# KiCad board Rogelio Pineda part 5.x3-AMLDC-2044B.kicad_pcb (continued)
## Routing (per net, layer and track width the routed paths; a pad name or vN(x,y) marks a point on that pad's centre or on a via; arc(x,y) is an arc through that point) (continued)
B1p12: length 312.2
  Top w0.15: v1(169.51,369.89) 168.78,369.02 168.24,367.16 168.04,365.77 168.04,364.58 167.89,355.91 167.92,353.5 167.75,342.28 167.81,341.37 167.7,339.33 167.72,337.92 167.73,332.17 167.62,327.78 167.72,309.89 167.75,308.88 167.8,305.73 167.7,301.39 167.81,277.23 167.72,273.44 167.87,267.74 167.89,264.65 167.84,256.15 167.89,249.7 167.89,243.86 167.92,241.96 168.06,212.67 167.93,207.79 168.29,205.22 168.63,203.52 169.74,200.94 170.47,199.5 170.64,192.9 170.31,190.91 169.83,188.9 169.2,186.31 168.9,184.97 168.32,182.25 168.18,180.49 168.01,165.47 168.07,162.65 168.26,160.87 168.88,158.23 169.43,156.75 170.1,155.24 170.45,154.02 170.6,150.41 170.63,149.66 170.74,127.2 170.25,125.7 169.16,123.34 168.5,121.42 168.34,116.76 v1(168.6,115.15)
  Top w0.25: UD1.8 163.11,371.04 161.1,372.35 159.71,373.7 159.37,374.99 159.23,378.51 159.32,383.67 159.37,392.6 159.16,397.81 158.53,399.05 157.31,399.75 154.79,400.67 153.41,401.67 UB1.12
  Bottom w0.2: UD1.8 164.67,369.87 165.47,369.9 169.45,369.95 v1(169.51,369.89) ; UT1.10 UT1.9 162.09,115.3 163.41,114.74 164.5,114.78 165.81,114.84 167.78,115.33 v1(168.6,115.15)
B1p13: length 270.8
  Top w0.15: 173.71,333.63 173.75,330.55 173.24,326.17 173.25,324.01 173.33,323.23 173.65,321.35 173.85,319.7 173.63,317.05 173.4,315.17 172.73,312.01 173.31,308.87 173.55,308.09 173.81,306.05 174.03,304.8 174.07,303.63 174.02,300.83 174.03,300.27 173.8,295.73 173.88,289.67 173.98,281.2 173.98,280.47 174.02,274.31 174.06,273.47 173.94,267.64 173.95,265.53 173.92,262.74 173.97,258.81 173.94,254.61 174.07,251.36 174.07,247.89 174.09,247.55 174.09,242.96 174.07,242.48 174.17,239.23 174.17,225.34 174.15,224.63 174.08,221.42 174.08,210.05 173.88,195.11 173.93,192.19 173.32,184.88 172.97,183.62 172.76,182.45 172.22,180.54 171.9,178.44 171.86,176.86 171.96,171.86 v1(172.26,170.34) ; v1(175.45,367.66) 174.88,367.09 174.7,357.85 173.89,356.06 173.13,354.05 172.87,352.51 172.72,351.34 172.72,349.6 172.58,348.11 172.77,343.37 173.22,340.3 173.71,333.5
  Top w0.25: UB1.13 151.62,399.25 151.53,393.4 151.48,392.27 151.16,390.31 151.74,387 151.97,385.21 151.85,385.09 151.85,373.45 151.76,373.37 152,371.86 152.92,370.8 UD1.12
  Bottom w0.2: v1(172.26,170.34) 171.47,169.78 169.34,168.82 166.77,168.21 165.48,167.92 163.91,167.9 162.87,168.07 162.05,168.69 161.98,168.89 UP1.9 UP1.10 ; v1(175.45,367.66) 175.04,367.66 171.81,367.74 156.61,367.88 155.17,368.03 154.37,368.6 UD1.12
B2p2: length 11.6
  Bottom w0.2: v1(183.32,395.82) 183.38,395.76 R58.2 185.92,393.17 186.62,392.87 188.31,392.65 189.16,392.77 190.9,393.92 UB2.2
B2p5: length 11.3
  Top w0.15: UB2.5 198.78,394.15 199.1,393.72 199.64,392.95 200.69,391.55 201.2,391.18 202.18,390.35 202.24,390.35 202.24,390.14 C13.1 R70.2
B2p6: length 365.1
  Top w0.15: 138.84,375.84 138.63,374.23 138.35,372.13 137.82,370.33 137.56,365.44 137.64,363.26 137.51,361.62 137.4,341.98 137.29,340.75 137.2,334.38 137.2,333.49 137.12,330.59 136.9,328.01 136.82,326.47 136.63,322.3 136.59,320.39 136.41,318.55 136.39,317.12 135.97,309.14 135.87,307.75 135.93,305.95 136.31,303.62 136.21,300.75 135.96,299.38 135.75,297.71 135.81,296.42 135.97,289.44 135.97,288.27 135.93,285.53 135.92,284.67 135.97,282.25 136.39,280.11 136.92,276.54 136.91,275.75 137.12,268.84 137.26,267.11 137.52,264.25 137.86,261.99 138.55,255.8 138.63,255.33 139.02,252.44 138.91,250.58 138.25,248.34 137.65,246.73 136.96,244.79 136.45,243.62 136.25,242.61 135.87,241.51 135.49,240.16 135.28,238.56 ; 138.87,375.52 138.47,378.67 137.8,380.5 136.98,383.06 135.81,386.29 134.8,389.95 133.77,392.27 133.33,394.03 132.62,395.84 131.88,397.86 v1(131.51,399.04) ; 130.97,190.2 130.99,187.42 130.95,183.47 130.95,179.1 130.91,179.06 130.73,172.4 130.63,167.58 130.59,156.19 130.77,149.72 131.03,147.14 131.07,145.37 131.41,140.33 131.84,137.81 131.9,136.12 132.75,130.97 132.96,129.49 133.21,128.29 132.87,115.79 v1(132.85,110.88) ; 135.3,238.78 135.18,237.55 135.14,235.64 ; 130.98,189.44 130.99,191.25 131.45,194.36 132.06,196.43 133.51,199.11 134.07,200.32 134.82,202.54 135.1,204.13 135.18,233.68 135.1,234.67 135.14,234.64 135.18,235.8
  Bottom w0.2: UB2.6 201.23,396.28 199.87,397.25 198.73,397.91 192.09,397.68 190.06,397.67 188.64,397.97 187.23,398.27 185.54,398.64 183.49,398.57 181.34,398.33 180.31,397.77 179.04,396.9 176.89,396.21 174.56,395.94 172.65,396.02 171.38,396.48 167.41,397.95 165.33,398.34 162.63,398.49 160.38,398.59 154.37,399.13 150.93,399.7 144.78,400.05 140.66,400.09 139.39,399.9 136.15,399.58 134.47,399.54 132.79,399.28 v1(131.51,399.04)
B2p8: length 203.4
  Top w0.15: v1(208.73,222.47) 208.54,222.67 208.9,223.36 208.43,297.11 208.42,344.12 208.51,346.95 208.57,348.43 208.63,349.25 209.35,351.02 210.07,352.75 210.54,354.68 210.67,356.28 211.2,360.35 211.26,362.72 211.43,365.47 211.45,367.22 211.82,373.96 211.86,374.77 211.93,374.87 211.93,381 211.8,381.84 211.62,389.98 211.68,393.13 211.54,402.65 v1(211.89,402.99)
  Bottom w0.2: 207.64,222.9 207.48,222.92 ; 207.48,222.92 207.93,222.78 v1(208.73,222.47) ; 207.48,222.92 206.57,223.03 204.83,223.15 201.73,223.16 201.08,222.96 199.74,222.36 199.66,222.17 199.43,221.95 199.33,221.81 UL2.5 UL2.4 ; v1(211.89,402.99) 211.89,403.22 210.62,403.37 209.1,403.35 207.48,403.28 206.72,403.24 205.14,403.19 UB2.8
B2p10: length 8.7
  Top w0.15: UB2.10 198.69,404.4 199.28,404.97 200.09,405.63 200.7,405.9 201.5,406.15 201.5,406.15 R91.2 204.15,405.95 C30.1
B2p12: length 684.1
  Top w0.15: 139.92,201.74 140.29,203.56 v1(140.67,204.62) ; 251.47,65.62 v1(251.35,65.68) 251.98,66.96 252.3,69.03 252.3,71.27 252.4,74.05 ; v1(139.23,65.64) 138.68,67.12 138.62,68.56 138.52,69.19 138.54,69.57 138.49,70.38 138.65,106.14 138.53,110.47 138.03,114.29 138.42,120.19 138.42,122.94 138.47,124.44 138.57,126.53 138.53,126.57 138.55,127.5 138.61,128.16 138.61,129.28 138.49,131.74 138.33,135.55 138.37,135.59 138.2,137.24 138.03,140.85 138.12,144.15 138.2,148.82 138.27,148.89 138.25,148.91 138.25,155 v1(138.33,155.07) 138.22,156.95 138.08,158.28 137.87,160.41 137.72,161.44 137.68,163.19 137.66,163.21 137.66,169.99 137.8,172.1 137.94,174.16 138.49,179.72 138.49,179.52 ; 252.32,72.65 252.28,77.34 252.16,80.2 252.03,119.94 252.07,119.98 252.13,124.63 251.23,156.25 251.27,158.42 v1(251.67,159.57) 253.29,166.55 253.09,170.73 253.22,173.98 253.53,175.71 253.69,183.96 253,187.39 252.82,189.59 252.98,192.79 252.87,201.73 v1(252.74,203.34) ; 139.95,202.03 139.66,199.67 139.33,197.35 139.37,197.31 139.26,192.98 139.17,189.6 138.85,183.43 138.72,182.55 138.49,179.12
  Top w0.25: v2(137.78,403) 137.93,402.1 138.18,400.5 ; v2(134.98,198.35) 135.63,200.25 135.93,201.4 136.43,207.6 136.43,210.3 136.33,221.45 138.63,233.7 138.48,243.45 138.68,246.6 139.28,248.3 139.93,249.75 140.18,251.55 139.83,254.85 139.53,258.1 139.28,258.95 138.53,265.3 138.18,267.15 138.03,275.55 137.98,276.85 137.63,279.5 136.83,283.05 136.98,289.6 136.93,292 136.78,294.6 136.83,298.5 137.33,302 137.28,303.5 136.93,306.2 136.93,309.75 137.23,313.75 137.58,316.75 138.33,330.45 138.43,332.9 138.83,353.8 138.93,362.9 139.03,368.85 139.78,374.85 139.63,379.4 138.73,384.9 138.53,396.75 138.18,400.5 ; 138.18,400.5 138.18,400.35
  Bottom w0.2: 137.07,200.25 139.4,202.69 139.93,203.31 140.67,204.46 v1(140.67,204.62) 140.88,204.41 146.81,204.41 UM1.1 ; 137.07,200.25 135.17,198.35 v2(134.98,198.35) ; 137.07,200.25 137.07,200.29 ; UM4.1 260.01,203.83 256.14,203.74 253.71,203.45 v1(252.74,203.34) ; 179.38,158.41 206.44,158.41 206.48,158.45 206.69,158.37 209.89,158.2 214.91,157.42 220.08,157.29 221.59,158.26 222.47,158.88 224.07,160.16 226.08,160.41 229.54,159.23 230.97,158.77 247.1,158.81 248.52,159.15 250.39,159.72 251.67,159.9 v1(251.67,159.57) ; 179.38,158.41 179.42,158.45 ; 179.38,158.41 172.97,158.11 171.2,158.06 162.46,157.03 159.57,156.93 149.06,156.6 146.74,156.52 141.42,155.87 139.98,155.28 v1(138.33,155.07) ; v2(137.78,403) 138.45,402.83 139.01,402.7 140.38,402.38 141.5,402.01 144.13,401.33 145.99,401.05 147.23,400.99 149.5,400.86 150.16,400.87 153.4,400.67 157.36,399.77 165.99,399.81 167.7,399.86 168.76,399.9 172.59,400.02 174.56,400.38 177.38,401.18 180.52,401.73 185.6,401.6 187.62,401.11 189.93,401.05 192.88,401.37 UB2.12
B2p13: length 50.7
  Top w0.15: 191.07,368.65 191.07,370.05 190.95,370.4 190.97,370.81 190.72,371.53 190.31,372.71 190.24,373.3 189.88,376.29 189.79,376.38 189.79,379.84 189.81,379.86 189.88,386.18 189.36,389.26 189.25,390.75 189.38,391.93 189.5,393.18 189.84,394.6 189.88,397.32 190.81,398.52 192.3,399.46 ; 192.78,398.32 193.44,398.52 193.93,398.68 196.36,399.49 198.92,400.1 200.59,401.33 201.04,402.91 UB2.9 ; 192.78,398.32 192.89,397.91 193.23,396.98 UB2.3 ; 192.78,398.32 192.39,399.31 192.3,399.46 ; 192.3,399.46 192.12,399.74 191.81,400.87 191.53,401.73 UB2.13
B3p4: length 80.3
  Top w0.15: v1(253.86,371.89) 253.09,372.53 252.69,373.77 252.55,375.89 252.52,376.59 252.78,379.95 252.75,381.54 252.85,382.56 252.98,384.78 253.04,386.08 253.23,386.95 253.46,388.21 253.58,388.7 253.58,390.35 253.98,390.75
  Bottom w0.15: 292.81,371.91 291.66,371.76 291.27,371.62 289.67,371.25 288.07,370.58 286.17,369.66 284.36,368.71 283.17,368.26 281.96,368.31 281.65,368.42 280.28,368.97 276.85,371.61 274.89,372.57 272.75,373.22 269.2,373.62 266.79,373.66 264.52,373.61 262.34,373.54 260.82,373.35 259.27,373.13 257.13,372.77 255.72,372.39 254.84,372.22 v1(253.86,371.89) ; UB3.4 237.02,391.94 238.5,390.93 239.41,390.73 241.53,390.75 242.79,390.68 247.43,390.77 247.44,390.76 253.41,390.9 R2.2
B3p6: length 26.4
  Top w0.25: UB3.6 UB3.5 239,392.17 237.73,390.9 234.83,390.9 233.92,391.81 UB3.3
  Bottom w0.15: R29.1 223.14,390.72 226.12,390.58 227.71,390.52 232.71,391.01 233.71,391.58 234.01,392.08 UB3.3
B3p8: length 70.4
  Top w0.25: UB3.8 UB3.9 241.54,399.76 239.83,398.05 235.13,398.05 233.92,399.26 UB3.12 UB3.13
  Bottom w0.15: 292.94,395.96 287.61,396.09 274.6,396.17 272.63,396.37 267.3,396.71 264.47,396.97 256.43,397.15 251.78,397 245.24,396.97 244.22,397.07 243.05,397.56 241.96,399.41 UB3.9
B3p10: length 140.6
  Top w0.15: 176.97,361.41 176.96,361.4 ; 176.97,361.41 177.03,361.47 ; 176.97,361.41 177.03,361.47 ; R3.2 176.3,328.41 176.4,330.31 176.46,332.26 175.99,334.53 176.17,337.19 176.24,339.44 176.53,342.51 176.73,344.48 177.12,347.65 177.08,348.39 177.08,350.5 177.02,351.36 176.9,354.33 176.85,355.73 177.03,361.47 ; 178.15,383.06 178.15,391.74 178.13,391.76 178.13,398.38 v1(178.02,398.49) ; 177.03,361.47 177.03,364.46 177.06,364.5 177.06,367.46 176.79,368.41 176.44,369.18 175.99,369.99 175.39,371.21 175.07,372.79 175.29,373.49 175.58,374.49 176.32,376.07 177.23,378.01 177.94,380.15 178.23,381.96 178.15,383.15
  Top w0.25: UB3.10 UB3.11
  Bottom w0.2: 232.24,398.54 232.28,398.57 ; 232.28,398.57 229.14,398.76 227.76,398.77 227.2,398.87 225.55,398.8 224.48,399.29 222.34,399.32 219.36,398.07 218.54,397.81 217.76,397.37 216.62,396.58 CR4.2 214.07,396.02 212.77,396.43 211.67,396.63 210.82,396.86 209.19,397.37 207.43,397.85 204.89,398.43 203.09,398.69 193.61,398.81 192.26,398.79 190.59,398.82 188.79,398.98 185.99,399.42 184.2,399.52 183.13,399.49 181.59,399.35 180.53,399.12 ; 232.28,398.57 235.21,398.56 236.26,399.63 UB3.11 ; 180.61,399.14 179.29,398.73 178.74,398.43 v1(178.02,398.49)
B4p1: length 23.8
  Top w0.15: UC4.9 273.81,385.07 272.78,386.28 271.83,386.89 270.96,387.96 270.92,389.54 271.15,391.17 UB4.5 271.5,393.37 269.87,395.09 268.24,395.5 267.64,395.58 264.49,395.52 263.95,395.35 263.52,395.13 262.97,394.83 262.67,394.58 262.52,394.38 261.72,393.72 261.72,393.06 UB4.1 261.34,393.14
B4p6: length 4.4
  Top w0.15: C42.1 273.17,389.69 273.57,390.65 UB4.6
B4p7: length 10.8
  Top w0.15: C42.2 278.1,389.58 276.64,391.62 UB4.7
  Bottom w0.15: C42.2 278.83,389.19 279.29,389.65 282.29,389.7 R87.1
B4p10: length 50.4
  Top w0.15: UB4.10 275.91,398.41 275.35,396.76 275.32,391.57 275.35,391.54 275.35,387.56 275.37,387.53 275.37,382.12 275.35,372.6 274.98,371.33 274.53,369.74 274.4,369.56 UD4.9
  Bottom w0.15: 292.8,397.46 291.3,397.65 280.12,397.9 278.98,398.33 278.3,398.81 UB4.10
B4p13: length 29.1
  Bottom w0.15: 292.96,401.67 292.76,401.46 285.49,401.46 283.68,401.42 283.03,401.8 282.07,402.37 280.38,402.97 277.11,403.69 275.08,403.96 273.01,404.51 271.56,404.91 270.81,405.01 270.45,404.93 269.41,404.75 269.25,404.57 268.88,404.25 268.56,403.85 268.53,402.57 268.72,401.83 UB4.13
B4p14: length 6.5
  Top w0.15: C41.2 269.67,403.66 267.68,403.3 266.63,402.4 266.43,400.31 UB4.14
B4p15: length 10.9
  Top w0.15: 264.12,403.06 C41.1
  Bottom w0.15: UB4.15 264.38,402.22 C41.1 263.29,403.1 262.49,403.62 261.8,403.67 260.36,403.74 258.55,403.74 ; 258.55,403.74 258.53,403.72 ; 258.55,403.74 257.67,403.74 R1.2
B5p1: length 33.9
  Top w0.15: UD5.1 299.5,360.69 299.8,362.45 300.13,363.73 300.2,364.99 300.24,365.54 300.23,366.28 300.11,366.92 300.13,367.39 300.15,368.23 299.45,370.69 299.59,371.12 299.84,372.69 300.22,374.22 300.25,387.72 300.26,387.73 ; 300.25,387.49 300.26,388.05 299.88,389.57 299.56,390.67 299.25,391.11 298.98,391.3 UB5.1
B5p2: length 9.1
  Top w0.15: UB5.2 301.52,391.34 301.56,391.12 301.66,390.53 301.96,389.27 301.8,386.57 301.59,385.32 UC5.13
B5p10: length 7.7
  Top w0.15: UB5.10 308.98,398.67 308.91,393.49 UB5.5
B6p6: length 11.9
  Top w0.15: UB6.6 356.23,393.21 356.05,393.65 355.97,398.5 UB6.9
  Top w0.25: UB6.9 356.06,400.03 R80.1
B6p11: length 9.5
  Top w0.15: UB6.2 346.43,393.68 346.64,394.25 347.37,394.96 349.05,396.08 349.73,396.84 350.23,397.46 350.31,397.66 350.77,398.74 UB6.11
B6p12: length 2.9
  Top w0.25: UB6.12 348.45,400.01 R81.2
B8p12: length 9.3
  Top w0.15: UB8.12 421.21,398.35 420.44,397.38 420.44,397.35 419.95,396.96 418.99,396.02 418.35,395.29 417.69,394.37 417.13,393.02 UB8.1
B15: length 256.7
  Top w0.15: 90.47,188.25 90.44,188.21 v1(90.44,188.17) 90.4,188.17 89.97,187.74 88.65,185.43 86.8,183.61 86.46,183.16 86.04,182.79 85.56,182.4 84.95,181.75 83.5,180.97 81.73,180.42 77.11,180.29 J2.15 ; v1(293.23,216.89) 293.26,216.93 v1(293.26,236.08)
  Bottom w0.15: v1(90.44,188.17) 91.2,188.42 92.09,189.19 93.39,190.34 94.26,191.59 95.47,195.34 96.28,197.75 96.86,199.59 97.88,203.43 98.3,204.57 98.63,205.98 99.4,208.39 99.86,209.39 100.51,210.55 102,212.37 103.69,213.75 106.45,214.86 107.32,215.26 108.38,215.51 109.88,216.03 110.92,216.24 111.81,216.32 113.18,216.33 114.81,216.3 122.33,216.4 123.34,216.44 124.11,216.46 129.85,216.53 135.72,215.93 141.89,215.57 142.3,215.49 145.5,215.29 164.06,215.38 166.43,215.49 169.06,215.62 173.03,216 177.18,216.35 178.49,216.56 184.68,216.64 189.49,216.43 193.87,216.38 197.71,216.46 205.97,216.91 207.44,216.89 210.52,217.09 214.3,217.34 218.64,217.22 224.95,216.81 227.29,216.64 236.16,216.41 237.13,216.41 238.1,216.43 239.48,216.53 241.4,216.68 245.93,217.21 248.78,217.47 254.96,217.65 264.53,217.81 276.58,217.82 283.98,217.72 286.41,217.57 290.17,217.1 291.63,217.2 291.86,217.17 292.52,217.15 v1(293.23,216.89)
B19: length 134.3
  Top w0.15: 91.67,175.3 v1(91.48,175.3) 91.21,175.3 89.67,175.25 88.55,175.05 88,174.88 86.83,174.77 85.48,174.62 84.22,174.46 81.68,174.12 J2.19
  Bottom w0.15: v1(91.48,175.3) 93.17,175.46 96.34,175.6 101.02,176 104.05,176.55 111.2,177.51 113.17,177.79 116.61,178.11 117.95,178.11 123.06,178.01 124.74,177.94 134.32,177.82 135.42,177.8 139.62,177.7 141.06,177.67 152.21,177.3 153.51,177.28 157.96,177.09 160.34,177.03 163.65,176.81 165.81,176.71 168.79,176.57 170.94,176.5 174.25,176.37 175.43,176.34 176.11,176.35 181.08,176.13 182.9,175.61 185.2,175.42 186.57,175.32 187.41,175.26 199.86,175.14 203.58,175.03 205.49,174.36 205.99,173.47 206.2,172.93 206.5,171.74 UP2.8
B23: length 139.2
  Top w0.15: 202.55,173.04 v1(202.53,173.09) 202.58,164.47 202.74,164.03 203.02,163.63 203.26,163.21 203.7,162.42 UP2.6 ; 84.68,169.73 86.62,170.62 89.15,171.75 90.04,172.06 90.98,172.59 v1(91.71,172.91) 91.71,172.95 ; J2.23 81.65,167.99 82.75,168.6 83.64,169.12 84.82,169.81
  Bottom w0.15: v1(91.71,172.91) 93.41,173.22 95,173.5 97.2,173.9 101.51,174.65 105.1,175.28 108.47,175.92 111.82,176.27 113.11,176.42 118.31,176.75 119.57,176.8 120.78,176.77 122.24,176.75 126.08,176.77 127.26,176.78 129.47,176.74 131.79,176.68 139.05,176.54 140.52,176.49 145.38,176.38 147.03,176.39 154.26,176.14 155.17,176.14 157.26,176.12 158.83,175.96 170.4,175.65 173.83,175.49 178.53,175.24 182.75,174.21 187.46,173.72 188.95,173.6 194.09,173.63 195.91,173.71 199.16,173.98 199.93,173.9 200.59,173.83 201.9,173.53 202.21,173.3 v1(202.53,173.09)
B25: length 129.1
  Top w0.15: J2.25 81.17,164.48 82.33,164.72 83.53,165.19 ; 91.9,170.63 91.83,170.63 v1(91.75,170.55) 91.67,170.63 90.88,170.33 89.91,169.56 89.41,169.23 88.75,168.91 88.23,168.66 87.81,168.31 87.05,167.63 86.26,167.05 84.42,165.76 83.51,165.19
  Bottom w0.15: v1(91.75,170.55) 92.27,170.36 92.7,170.46 93.7,170.61 96.72,171.35 99.27,172.1 102.48,172.88 104.5,173.45 108.21,174.1 110.32,174.49 114.58,175.04 116.05,175.33 120.83,175.56 122.18,175.57 128.16,175.37 130.08,175.29 144.57,175.06 145.73,175.06 157.36,174.78 163.55,174.68 171.86,174.44 176.84,174.09 179.51,173.73 181.7,173.24 185.07,172.6 186.84,172.39 194.86,172.4 197.01,172.44 198.49,172.35 199.79,172.11 201.45,170.99 UP2.10
B27: length 124.9
  Top w0.15: 87.65,163.83 87.37,163.62 85.6,162.33 83.38,161.64 81.6,161.26 J2.27 ; 87.56,163.76 89.15,165.5 89.91,166.28 90.11,166.5 90.63,167.02 v1(91.83,167.65) 91.9,167.69
  Bottom w0.15: v1(91.83,167.65) 92.62,167.65 96.27,169.01 99.5,170.01 101.18,170.71 106.37,172.24 109.59,172.92 112.48,173.37 114.95,173.76 117.89,174.24 119.3,174.31 135.46,174.11 139.07,173.97 146.46,173.8 157.39,173.68 164.06,173.59 165.57,173.62 168.48,173.48 175.75,172.8 178.39,172.36 180.86,171.9 186.33,171.07 188.45,170.01 189.7,169.05 191.06,168.24 192.84,168.05 194.77,168.14 195.94,169.05 UP2.12
B49: length 56.8
  Top w0.15: 89.19,89.49 89.21,89.51 v1(89.24,89.51) 89.24,89.54 89.86,90.49 90.09,90.9 90.52,91.43 90.73,91.8 91.09,92.22 92.09,94.05 92.69,94.74 93.21,95.84 94.19,98.23 94.25,99.02 94.29,99.88 94.34,101.08 94.27,101.87 94.07,104.8 93.85,105.76 93.77,106.28 93.78,106.27 93.42,109.44 93.37,110.26 93.37,111.42 93.46,112.57 93.58,114.09 93.67,115.08 93.78,116.16 94.07,118.77 94.05,119.4 94.12,119.78 93.93,121.1 93.75,122.38 93.25,123.69 92.84,124.55 92.21,125.64 91.91,126.02 90.44,128.06 90.23,128.27 89.68,128.89 88.75,129.47 88.27,129.78 87.19,130.03 85.54,129.91 85.15,129.76 84.22,129.28 84.02,129.1 83.84,128.89 v1(83.49,128.67) 82.6,128.01 82.15,127.38 80.74,126.51 J2.49
B51: length 57.4
  Top w0.15: 89.18,92.9 88,91.6 87.98,91.6 v1(87.31,90.93) 87.36,90.98 ; 89.18,92.9 88.89,92.42 ; 89.18,92.9 90.14,93.95 90.61,94.46 90.99,94.98 91.92,95.82 92.34,96.39 92.54,96.86 92.93,97.37 93.25,98.31 93.52,99.15 93.52,102.1 93.41,102.67 93.33,103.45 93.25,104.72 92.98,106.12 92.81,107.77 92.71,108.66 92.63,110.59 92.68,111.83 92.83,113.78 92.88,113.82 92.89,115.24 93,116.04 93.1,116.68 93.05,116.73 93.3,119.27 93.16,120.76 93.06,121.39 92.66,122.93 92.07,124.05 91.64,124.95 90.66,126.38 90.44,126.77 90.39,126.77 89.29,128.08 87.95,128.89 86.6,129.24 85.65,129.09 84.97,128.49 84.74,128.32 84.74,128.25 84.41,127.82 83.54,126.59 83.44,126.26 83.16,125.77 82.73,125.1 ; 82.73,125.1 82.33,124.62 81.7,123.92 81.54,123.92 80.26,122.64 J2.51 ; 82.73,125.1 82.73,125.15
B67: length 8.7
  Top w0.15: J2.67 81.44,97.15 81.88,97.18 82.31,97.02 83.75,96.52 84.4,95.89 v1(84.9,95.83) 84.88,95.89
B69: length 6.6
  Top w0.15: J2.69 80.08,94.07 80.56,94.55 81.89,94.55 82.47,95.12 v1(82.58,95.12) 82.58,95.23 82.51,95.16
C0p6: length 32.6
  Bottom w0.2: 122.64,378.76 122.93,380.15 123.84,380.67 128.07,380.77 129.84,380.73 ; 129.84,380.73 R10.1 ; 129.84,380.73 131.5,380.74 133.58,380.7 148.85,380.76 149.78,380.41 150.7,379.46 UC1.2
C0p8: length 29.5
  Bottom w0.15: UC0.8 125.53,386.74 126.18,386.74 128.42,386.71 R94.1 130.8,385.81 133.54,385.33 137.87,384.84 140.45,384.66 146.44,384.5 148.13,384.44 150.88,384.46 152.01,384.58 152.67,384.78 152.84,385.09 UC1.12
C1p6: length 279.4
  Top w0.15: UC2.2 190.98,378.88 191.04,379.59 191.1,381.49 191.08,381.52 v1(191.08,381.63) 190.97,381.63 190.95,381.65 ; v1(223.82,272.23) 223.94,274.72 224.13,287.95 223.61,289.12 223.02,290.48 222.4,291.72 222.34,292.95 222.31,292.98 222.31,299.58 222.4,299.67 222.4,306.77 222.28,308.99 222.12,330.22 222.12,331.76 222.28,335.74 222.25,336.93 222.38,337.97 222.4,339.07 v1(222.5,341.02) 222.53,341.05 222.81,344.29 223.02,345.37 222.7,347.97 222.21,350.2 221.14,352.45 220.46,353.55 219.93,354.61 219.84,364.53 219.75,366.02 220.17,373.49 220.28,375.29 220.32,376.65 220.61,377.94 220.33,381.84 v1(220.3,383.24)
  Bottom w0.2: UC1.6 161.3,379.73 161.85,380.53 162.59,381.26 163.57,381.59 174.64,381.51 182.28,381.78 188.36,381.97 189.69,381.95 191.08,381.78 v1(191.08,381.63) 191.31,381.63 191.83,382.15 212.2,382.36 212.99,382.5 214.44,382.87 215.49,383.16 216.73,383.36 217.95,383.37 219.17,383.52 220.3,383.45 v1(220.3,383.24) 223.53,383.31 228.76,383.07 230.52,383.01 232.54,382.36 233.86,380.36 UC3.3 ; 292.85,348.77 289.78,346.77 285.47,342.78 284.32,341.23 282.22,338.66 279.98,337.28 276.67,337.17 276.63,337.21 265.56,337.19 257.07,338.74 249.64,338.99 243.48,339.45 230.49,339.55 227.26,340.17 225.63,340.36 223.86,340.81 v1(222.5,341.02) ; v1(223.82,272.23) 225.74,272.62 226.9,272.98 229.1,272.98 230.71,272.68 231.1,272.34 231.73,271.6 UJ3.2
C1p11: length 85.7
  Bottom w0.2: UC3.10 238.35,385.12 236.44,384.32 234.12,384.21 230.61,383.99 229.54,383.93 226.78,384.47 222.46,385.17 219.15,384.74 216,384.19 212.86,383.77 204.96,383.22 192.46,383.16 186.5,383.12 185.3,383.13 178.6,384.6 174.03,384.68 171.39,384.83 170.81,384.82 166.48,384.71 164.59,384.49 158.69,384.39 157.48,384.61 156.7,384.88 156.15,385.35 UC1.11
C1p13: length 12.2
  Bottom w0.2: UC1.13 150.58,387.62 150.43,387.94 149.86,388.61 148.7,389.15 147.6,389.09 145.44,389.14 C31.2 143.58,386.47 R94.2
C2p4: length 41.2
  Top w0.15: 230.1,381.29 230.04,381.23 v1(230.04,381.32) 230.13,381.32 230.47,382.47 230.94,384.24 231.06,384.62 UC3.13
  Bottom w0.2: v1(230.04,381.32) 229.47,381.23 229.21,381.25 ; 229.27,381.25 228.58,381.32 228.03,381.19 224.59,380.87 222.48,380.52 221.97,380.42 221.61,380.35 219.32,380.03 217.02,379.8 212.82,379.83 212.4,380.15 210.82,380.21 209.58,380.29 205.8,380.58 204.81,380.55 202.29,380.56 201.3,380.53 198.45,380.12 197.5,379.63 196.74,378.8 UC2.4
C2p5: length 141.5
  Top w0.15: v1(217.43,334.88) 217.43,336.52 217.21,337.59 217.04,360.51 217.13,360.6 217.25,366.28 217.25,368.95 217.59,371.81 217.87,373.02 218.04,373.86 218.21,375.97 v1(217.15,378.49)
  Bottom w0.2: 243.27,335.57 241.26,335.93 239.86,336.16 233.47,336.19 231.83,336.12 230.11,336.13 223.14,335.99 222.22,335.95 220.34,335.59 218.91,335.32 v1(217.43,334.88) ; 243.27,335.57 243.29,335.55 ; 243.27,335.57 245.05,335.09 248.08,334.06 251.83,332.54 255.14,329.92 257.42,328.29 259.39,327.63 267.4,327.64 271.38,327.02 275.12,326.57 276.54,326.48 282.06,326.35 282.28,326.33 283.32,326.37 286.71,326.54 288.14,326.96 290.32,327.2 292.67,327.42 ; v1(217.15,378.49) 215.61,378.74 ; UC2.5 199.06,378.42 199.49,378.89 199.7,379.16 200.36,379.47 203.59,379.63 205.97,379.59 211.24,379.16 212.98,378.92 215.83,378.74
C2p6: length 8.5
  Top w0.15: C15.2 206.91,374.29 206.27,374.39 203.96,374.77 202.22,375.65 201.61,376.17 201.14,376.64 UC2.6
C2p7: length 6.2
  Bottom w0.2: R13.2 200,373.77 C15.1 202.67,374.6 203.4,375.65 203.5,375.86 203.68,376.31 UC2.7
C2p10: length 134.6
  Top w0.15: UE2.12 193.4,351.62 193.78,351.99 193.32,353.42 192.76,355.23 192.01,356.91 191.99,358.58 192.37,361.07 192.35,363.07 192.39,363.63 v1(192.39,371.44) 192.44,371.53 ; v1(215.08,369.51) 215.72,370.36 216.29,371.53 216.74,372.76 216.89,373.16 217.09,374.27 217.04,375.64 216.81,376.09 216.25,376.99 215.95,377.53 215.41,378.14 215.19,378.44 214.92,378.63 214.58,379.15 214.4,379.44 214.14,379.79 213.9,379.99 213.9,383.29 214.17,383.98 214.53,384.62 215.04,385.15 215.48,385.53 216.31,385.96 v1(217.59,386.35) 217.61,387.16 217.53,388.8 217.54,390.31 R30.1
  Bottom w0.2: UB4.2 264.08,393.56 262.4,395.23 261.83,395.3 255.23,395.36 224.94,395.37 223.54,395.23 221.7,394.62 220.79,394.15 219.98,393.63 219.23,392.83 R30.1 ; v1(192.39,371.44) 193.2,371.33 193.37,371.28 193.84,371.13 194.39,370.95 197.46,370.82 198.26,370.85 199.11,370.94 203.92,370.86 205.29,370.71 206.43,370.65 207.13,370.55 211,370.11 214.46,369.85 v1(215.08,369.51) ; v1(217.59,386.35) 217.48,386.35 216.51,386.3 215.94,386.1 214.76,385.89 211.04,385.33 209.67,385.34 207.92,386.57 207.12,387.12 206.45,387.16 206.04,387.19 205.78,387.21 205.1,386.94 204.24,386.2 203.68,385.83 UC2.10
C2p12: length 129.5
  Top w0.15: v1(221.98,289.43) 221.28,290.84 221.23,309.86 221.25,323.03 221.04,333.09 220.91,337.05 220.82,338.02 220.73,341.78 221.14,343.89 220.94,345.44 220.49,346.29 ; 220.53,346.2 219.16,349.28 218.92,350.87 218.47,354.89 218.35,356.91 218.35,357.79 218.4,363.61 218.52,364.83 218.55,366.84 218.76,368.17 218.85,370.99 219.12,372.22 219.44,377.13 218.29,382.79 218.37,384.05 219.41,386.13 v1(219.91,387.23)
  Bottom w0.2: 218.91,388.12 219.91,387.51 v1(219.91,387.23) ; UC2.12 199.66,386.61 201.29,387.33 202.94,387.29 204.5,387.57 205.76,387.99 206.31,388.22 207.01,388.24 208.25,388.13 209.7,387.47 210.65,387.3 211.77,387.27 213.81,387.76 215.75,388.33 217.88,388.57 218.96,388.11 ; UH3.1 226.09,289.68 225.14,289.62 223.83,289.51 223.23,289.43 v1(221.98,289.43)
C2p13: length 12.3
  Top w0.15: UC2.13 196.06,384.68 197.42,383.33 198.21,383.01 199.05,382.94 200.12,382.81 202.08,382.85 204.42,382.92 205.1,383.15 205.82,383.92 UC2.9
C2p14: length 6.2
  Top w0.15: C29.2 196.15,388.88 194.55,387.58 194.09,387.06 193.52,386.11 UC2.14
C3p5: length 335.3
  Top w0.15: 190.12,119.11 v1(190.12,119.21) 190.12,119.57 189.77,119.91 189.55,121.19 189.19,122.82 189.1,124.01 189.05,124.38 188.81,126.58 US2.1 US2.2 ; v1(218.83,343.25) 219.17,341.45 219.6,338.54 219.94,315.43 219.88,312.89 219.91,310.72 219.64,304.74 219.53,303.53 219.16,299.72 219.02,298.73 218.83,296.37 v1(218.87,296.33) 219.38,294.94 219.72,292.96 219.67,279.69 219.3,272.94 218.91,266.73 218.86,265.84 218.4,256.44 218.07,252.69 217.44,243.43 216.95,238.17 216.49,231.6 215.92,228.33 215.04,224.5 214.81,222.57 214.91,208.33 214.95,207.31 215.01,203.9 214.87,202.18 215.05,199.58 215.31,196.27 215.51,194.46 215.5,191.72 ; UG3.2 231.35,306.38 231.6,306.13 231.55,306.09 UH3.13 ; 217.92,125.2 217.84,125.29 v1(217.84,125.4) 217.72,125.4 217.36,125.76 217.48,128.43 216.82,139.56 216.75,142.43 216.64,145.09 215.58,157.23 215.39,159.15 215.23,162.42 214.57,168.86 214.37,173.82 214.44,175.65 214.49,177.58 214.77,183.42 214.92,186.19 215.53,191.98 ; UC3.5 239.21,377.48 239.68,376.59 240.1,374.36 240.19,372.38 240.19,369.8 240.21,369.77 240,368.47 238.51,366.54 236.14,365.51 235.21,364.44 235,355.99 234.67,354.69 234.35,353.13 234.18,352.22 233.99,351.57 UE3.12
  Bottom w0.15: v1(217.84,125.4) 216.9,125.4 215.85,124.54 215.05,123.92 212.6,122.23 210.78,121.26 208.82,120.24 206.23,119.62 205.11,119.4 203.07,119.12 199.6,119.15 198.23,119.12 190.99,119.26 ; v1(218.87,296.33) 218.87,296.35 219.65,297.33 220.31,298.19 220.77,298.65 221.15,298.89 221.19,298.93 222,299.5 223.24,299.8 225.55,299.92 227.64,300 228.55,300.09 229.24,300.08 230.4,299.74 230.93,299.3 231.36,298.61 231.55,298.37 UH3.13 ; v1(218.83,343.25) 219.84,343.81 220.11,344.07 222.07,345.11 224.58,345.98 226.6,346.48 230.48,347.21 232.03,348.01 232.85,348.79 233.44,349.28 UE3.12 ; v1(190.12,119.21) 190.24,119.21 190.97,119.26
C3p9: length 13.8
  Top w0.15: UC3.2 231.9,380.2 232.21,381.01 233.39,382.32 235.66,382.94 238.92,383.56 240.29,384.24 240.94,385.17 UC3.9
C4p1: length 164.4
  Top w0.15: UC4.1 261.53,376.51 262.39,377.45 262.67,379.43 262.89,380.1 262.91,381.51 262.98,382.27 v1(262.81,387.08) 262.81,387.14 262.85,387.18 ; v1(182.91,335.42) 182.38,336.37 182.29,338.14 182.35,339.7 182.32,341 182.03,349.96 181.97,352.79 181.79,359.52 181.98,365.11 182.21,365.48 182.23,365.71 v1(182.27,366.28)
  Bottom w0.2: v1(182.91,335.42) 183.43,335.1 184.7,334.58 186.21,334.31 186.98,334.2 188.51,334.23 189.58,333.9 190.29,333.44 190.98,332.74 UF2.13 ; 217.84,369.12 219.89,371.95 221.46,373.49 222.89,374.25 227.93,374.85 229.41,375 231.55,375.12 248.33,375.18 249.39,375.22 250.82,375.3 256.17,375.68 257.35,375.86 260.51,376.32 UC4.1 ; v1(262.81,387.08) 263.16,387.08 264.03,387.36 285.68,387.36 287.14,387.78 292.06,387.78 ; v1(182.27,366.28) 183.42,366.09 185.06,365.82 186.13,365.67 188.65,365.43 192.81,365.58 197.05,366.4 200.2,366.45 211.03,366.6 213.2,366.82 215.08,367.16 217.23,368.27 217.89,369.2 ; 292.76,387.78 292.77,387.77
C4p3: length 19.4
  Top w0.15: UD4.2 264.47,361.47 264.89,362.57 265.22,364.98 265.35,365.72 265.47,368.15 265.39,368.23 265.39,370.58 265.35,371.21 265.39,373.21 265.98,374.3 UC4.3
  Bottom w0.15: UC4.3 UC4.4
C4p6: length 141.3
  Top w0.15: 286.75,288 286.31,277.31 286.24,275.66 286.43,273.37 286.76,263.36 287.36,256.67 287.62,254.45 v1(287.75,253.81) ; v1(287.7,373.62) 286.38,370.65 285.79,369.07 285.1,366.66 284.87,354.84 284.82,353.5 284.82,344.19 284.93,343.89 285.14,341.76 286.43,336.44 287.16,333.02 ; 286.74,287.81 287.59,290.07 287.97,291.65 288.38,318.95 288.53,322.61 288.37,328.05 288.16,328.9 287.92,329.49 287.96,329.49 287.5,331.48 287.17,332.92
  Bottom w0.15: v1(287.7,373.62) 287.63,373.62 287.18,374.07 286.84,374.18 286.08,374.14 282.75,374.18 279.14,374.02 277.42,374.05 275.59,374.05 274.64,374.71 UC4.6 ; v1(287.75,253.81) 288.33,253.88 288.89,254.02 289.79,254.19 290.34,254.26 290.89,254.32 291.8,254.57 292.8,254.57 292.91,254.68
C4p8: length 16.1
  Bottom w0.15: 292.57,382.72 290.94,383.05 288.57,383.59 285.32,383.94 282.63,384.09 280.28,384.19 277.46,384.22 276.93,383.69 UC4.8
C4p11: length 4.6
  Bottom w0.15: UC4.11 269.15,384.29 269.48,384.63 269.59,384.83 270.65,384.84 271.71,384.89 UC4.10
C4p13: length 37.8
  Top w0.15: UC4.13 264.15,382.8 264.17,379.8 UC4.2
  Bottom w0.15: 292.79,381.01 281.2,381.59 269.64,381.56 268.44,382.16 267.92,382.33 267.63,382.67 UC4.12 265.8,384.49 264.87,384.49 UC4.13
C5p3: length 19.8
  Top w0.15: UD5.5 309,360.64 309.03,361.16 309.03,361.18 309.25,362.05 309.36,362.66 309.71,363.38 309.79,364.39 v1(310,364.71) 310.02,364.74 310.09,369.03 310,369.79 309.62,370.86 309,371.54 308.22,371.99 307.76,372.2 306.94,372.32 306.26,372.55 305.48,372.9 304.32,373.98 304.11,374.79 UC5.3
C5p4: length 39.4
  Top w0.15: UD5.10 313.5,369.19 313.02,370.73 310.61,372.24 309.78,372.7 308.26,373.43 307.86,373.81 307.81,373.81 306.87,374.75 306.87,375.16 UC5.4 306.4,376.88 306.42,376.9 305.96,378.19 305.61,379.09 305.16,379.64 305.13,379.7 304.57,379.96 303.68,379.92 302.7,379.21 302.69,374.12 302.83,371.03 302.66,369.7 302.52,365.35 302.32,364.58 302.14,363.26 302,362.89 301.82,361.82 301.55,360.34 UD5.2
C6p11: length 8.7
  Top w0.15: UC6.11 350.95,384.64 350.53,385.41 350.09,385.86 349.57,386.31 348.68,386.56 348.09,386.65 347.25,386.78 345.21,386.85 v1(344.67,386.6) 344.63,386.56
C7p5: length 18.5
  Top w0.15: UC7.5 389.77,374.81 389.46,374.03 389.14,373.65 388.78,373.01 388.24,372.23 388.07,372.01 387.77,371.57 387.55,371.21 387.08,370.42 386.77,369.26 386.61,368.32 386.73,367.73 386.66,367.28 386.36,365.76 385.84,364.65 385.3,363.44 384.4,362.03 383.95,361.12 383.57,360.57 UD7.2
C7p11: length 26.8
  Top w0.15: UC7.11 388.48,382.45 389.2,381.42 390.08,380.31 390.27,379.92 390.99,378.85 391.59,377.23 391.68,376.52 391.62,373.91 391.5,373.24 391.32,372.33 391.06,371.73 390.49,370.76 389.29,369.19 389.08,367.53 389.08,366.9 389.08,365.52 388.69,364.52 387.7,362.83 387.23,362.21 386.96,361.73 386.43,361.04 385.88,360.36 UD7.3
C7p12: length 7.7
  Top w0.15: UC7.3 385.61,377.4 385.71,381.97 385.71,382.96 UC7.12
C7p13: length 13.6
  Top w0.15: 385.13,370.11 v1(385.13,370.13) 384.94,370.78 384.91,370.97 384.65,372.31 384.42,373.15 384.24,374.56 384.29,376.96 384.33,379.69 384.25,380.34 383.97,381.72 382.92,383 UC7.13
C8p5: length 19
  Top w0.15: UC8.5 426.71,374.5 427.46,373.54 428.03,372.9 428.73,372.15 429.39,371.42 429.95,370.47 430.07,369.4 430.34,368.45 430.47,366.39 429.71,364.93 428.5,363.21 427.65,361.85 427.37,361.33 426.77,360.46 UD8.5
C8p8: length 19.6
  Top w0.15: UC8.8 430.73,382.37 430.37,382.02 429.72,381.54 428.32,380.36 427.67,380.07 426.62,379.41 426.3,379.08 426,378.72 425.53,377.91 425.22,377.44 425.07,373.5 424.83,372.51 424.68,371.61 424.36,370.14 424.24,369.44 UD8.11
C8p10: length 17.8
  Top w0.25: UB8.11 426.11,397.38 427.41,395.8 427.93,392.98 428.13,391.95 427.78,388.93 427.48,387.48 427.28,386.45 426.84,382.95
C29p1: length 7.5
  Bottom w0.2: C29.1 189.64,389.01 188.5,389 187.84,389 186.26,389.11 185.77,389.09 185.07,389.05 R50.2
CLK RDR: length 50.2
  Top w0.15: v1(99.01,106.58) 98.8,107.06 98.42,108.18 98.08,109.39 97.74,110.77 97.55,113.46 97.39,114.67 97.39,117.04 97.39,118.65 97.48,120 97.55,121.14 97.59,125.2 97.65,125.88 97.52,127.15 96.67,128.73 96.38,129.59 95.19,131.02 93.26,132.76 92.43,133.4 ; 92.52,133.33 90.51,134.81 89.15,135.77 87.92,136.53 86.85,137.1 v1(85.51,137.89)
  Bottom w0.15: v1(85.51,137.89) 85.18,139.09 84.97,139.6 84.13,141.58 83.32,142.85 82.73,143.66 81.6,144.36 81.14,144.61 J2.38
CLR: length 71.3
  Top w0.15: v1(82.28,315.8) 83.43,318.68 84.7,320.88 85.82,323.83 87.25,326.37 88.05,328.12 89.85,330.82 90.52,331.39 90.94,331.74 92.27,333.27 92.99,334.72 93.07,337.16 92.77,338.79 v1(92.28,340.91)
  Top w0.2: UD0.3 114.66,360.51 114.15,359.69 113.46,359.06 112.74,358.54 111.37,357.82 110.49,357.91 R71.2
  Bottom w0.15: R71.2 108.87,356.86 105.93,356.84 103.2,356 101.87,355.45 99.71,354.57 97.17,353.2 95.08,351.19 94.53,349.77 94.32,348.52 94.38,346.95 94.54,345.91 94.59,344.94 94.51,342.93 93.01,340.91 v1(92.28,340.91) ; J1.50 79.95,314.89 80.4,315.89 80.92,315.94 81.58,315.93 v1(82.28,315.8)
D0p2: length 24.4
  Top w0.2: UD0.2 112.38,362.95 112.1,364.37 111.58,367.45 111.28,369.4 111.25,371.24 111.53,371.98 v1(112.39,373.78) 112.48,373.82
  Bottom w0.15: v1(112.39,373.78) 112.24,374.16 111.93,374.78 111.53,375.23 110.85,375.95 109.96,376.25 108.93,376.28 108.67,376.27 108.34,375.93 R46.2 106.18,376.14 C1.1 106.18,376.33 106.2,376.31 107.23,376.23
D0p4: length 12
  Bottom w0.15: UD0.4 118.08,360.9 118.67,359.68 119.34,358.63 120.84,357.91 122.86,357.55 R71.1 ; R71.1 124.1,356.31 ; R71.1 C58.1
D0p6: length 173.1
  Top w0.15: v1(175.21,354.86) 174.88,353.91 174.85,353.38 174.75,350.13 174.74,343.17 174.71,341.06 174.85,334.87 174.89,331.99 174.76,328.21 174.71,327.38 174.62,326.51 174.4,325.26 174.06,324.58 174.88,322.57 174.74,321.97 174.88,319.13 174.81,318.44 174.58,315.99 174.34,314.77 174.22,313.65 174.09,313 174.16,310.32 175.39,305.74 175.32,301.53 175.03,296.87 175.05,295.08 175.7,293.54 176.04,292.35 177.11,290.32 177.14,282.38 177.11,282.34 177.11,274.57 177.07,274.54 177.14,274.23 177.21,273.13 177.21,262.01 v1(177.31,261.91)
  Bottom w0.15: UD0.6 123.15,360.56 124.74,359.24 129.6,359.04 133.48,358.89 136.67,358.59 139.58,358 145.67,356.36 153.97,357.75 158.54,357.56 162.52,356.4 169.51,356.25 v1(175.21,354.86) ; v1(177.31,261.91) 183.73,262.9 187.92,263.92 191.22,264.42 192.62,264.55 196.68,264.55 197.57,264.3 198.72,263.28 198.72,263.03 198.79,262.95 UK2.10
D0p8: length 440.2
  Top w0.15: v1(285.47,253.41) 285.54,253.41 288.37,250.96 289.08,250.28 290.07,248.75 289.85,245.12 289.63,244.1 289.32,242.62 289,240.63 288.56,236.56 288.47,235.26 288.05,231.74 287.74,229.28 287.66,217.18 287.59,214.14 287.83,183.47 287.59,175.49 287.43,171.11 ; 215.69,280.35 215.58,282 214.73,287.39 214.03,290.69 213.58,293.37 213.58,294.54 213.89,329.95 213.94,331.75 213.91,334.02 213.87,335.76 214.06,347.86 214.1,348.57 214.24,349.64 214.19,355.96 214.12,357.24 213.84,360.45 213.85,361.19 213.62,369.75 213.82,370.46 214.48,372.51 214.88,373.46 v1(215.36,374.74) ; 215.68,280.58 215.91,277.06 215.94,275.63 215.88,263.02 ; v1(287.53,159.94) 287.26,160.21 287.44,172.18 ; 215.89,263.2 215.48,255.51 215.45,254.71 215.23,247.88 215.19,246.64 214.96,243.13 214.89,241.87 214.55,237.44 214.42,236.01 214.12,232.53 v1(213.84,231.17)
  Bottom w0.2: v1(215.36,374.74) 214.55,374.2 213.84,373.92 211.42,372.56 208.24,372.11 208.22,372.13 199.1,372.03 195.37,372.71 190.65,373.85 186.98,375.74 185.48,376.38 184.45,376.93 178.48,376.64 173.67,376.64 148.82,376.36 148.29,376.24 147.2,375.88 145.33,374.68 143.61,374 142.47,373.66 140.82,373.23 136.28,372.15 133.78,371.9 130.97,371.33 128.59,371.21 127.73,371.08 127.28,371.08 125.98,371.12 125.27,370.83 UD0.8 ; v1(213.84,231.17) 202.67,231.06 201.78,230.62 201.48,230.39 201.36,230.01 201.25,229.54 UL2.9 ; UP4.7 276.91,161.2 277.6,160.15 279,159.51 281.39,159.99 283.4,160.34 285.97,160.26 287.53,160.12 v1(287.53,159.94) 288.47,160.06 289.33,160.06 292.84,160.12 292.86,160.14 ; v1(215.28,250.56) 216.04,250.73 216.82,250.87 217.55,251.02 221.28,251.39 222.42,251.47 235.69,251.47 237.57,251.46 241.52,251.3 247.24,251.44 248.94,251.81 252.06,253.15 254.79,254.44 257.21,255.59 259.18,256.48 262.26,257.76 264.84,258.6 267.82,258.73 271.37,258.22 276.29,256.87 278.76,255.85 281.32,255.1 283.45,254.4 284.54,254.06 285.47,253.63 v1(285.47,253.41)
D0p9: length 210.3
  Top w0.15: v1(179.71,296.25) 179.86,296.41 179.86,298.47 180.19,299.83 180.3,308.5 180.21,308.59 180.28,308.66 180.44,312.69 180.31,315.2 180.16,318.07 179.42,322.05 179.64,326.85 179.89,327.96 180.02,329.77 180.34,332.87 180.17,336.44 180.21,336.91 180.14,339.12 179.89,342.64 179.52,347.3 179.12,351.34 178.97,352.65 178.97,355.65 179.1,356.57 179.32,357.64 179.59,359.72 179.79,360.71 180.07,362.37 180.12,363.21 180.59,367.63 180.69,368.99 180.88,370.15 v1(181.19,371.34)
  Top w0.25: UD0.13 113.23,369.01 113.83,368 114.98,367.5 121.73,367.35 ; 121.73,367.35 UD0.9 ; 121.73,367.35 121.28,365.95 120.53,363.6 120.39,362.63 UD0.5 121.88,354.15 122.43,352.9 122.58,352.35 122.64,352.29 122.64,350.67 122.03,349.6 121.43,348.8 120.68,348.4 119.93,348.25 119.18,348.2 118.03,348.15 115.88,348.2 113.93,348.55 112.48,350 112.48,350.67
  Bottom w0.2: UD0.9 123.11,369.18 123.83,368.73 124.33,368.54 125.49,368.14 126.22,368.28 129.13,369.26 131.42,370.06 136.57,371.06 139.14,371.45 142.82,372.7 144.39,373.39 145.53,374.02 145.94,374.17 146.52,374.31 147.14,374.9 147.34,375.31 151.28,375.44 151.84,375.43 156.65,375.3 157.61,375.31 158.29,375.25 170.97,375.53 173.42,375.35 174.7,375.33 176.31,374.62 178.27,373.52 179.26,372.93 179.89,372.46 180.71,371.99 v1(181.19,371.34) 182.35,370.54 184.33,369.3 185.55,369.26 186.35,369.81 187.78,370.91 188.63,371.33 189.45,371.16 190.35,370.74 191.4,369.87 UD2.13 ; v1(179.71,296.25) 178.93,296.4 175.02,296.63 174.08,296.71 173.44,296.71 171.63,296.66 169.12,296.96 167.31,297.15 166.34,297.27 164.16,297.31 163.61,297.61 UH1.8
D0p10: length 12.3
  Top w0.25: R83.2 122.19,373.52 122.14,373.57 121.63,373.5 120.28,372.1 UD0.10
  Bottom w0.2: 123.83,373.8 125.68,373.8 125.73,373.85 124.37,373.85 R83.2 125.82,373.52 C20.2
D0p12: length 357.5
  Top w0.15: v1(104.93,48.29) 104.93,48.64 105.09,48.83 105.08,51.09 105.15,51.17 v1(104.97,51.89) 105.28,52.21 105.28,62.74 105.41,64.28 105.14,68.73 104.57,70.1 104.19,70.95 103.9,71.43 103.67,71.77 103.38,72.87 103.4,73.99 104,77.05 104.18,78.23 104.25,79.53 104.23,80.08 104.19,81.16 104.31,89.18 104.2,90.29 103.4,93.24 103.05,94.07 102.74,94.88 102.45,96.06 102.59,98.03 102.65,98.44 102.97,99.36 103.28,100.92 103.53,103.44 103.45,106.3 103.43,107.03 103.27,108.04 103.18,108.95 102.88,109.87 102.42,111.19 102.26,111.79 102.07,112.58 101.7,113.6 100.94,115.88 100.82,116.4 100.67,117.14 100.42,118.75 100.39,119.28 100.45,120.5 100.93,122.22 101.05,122.81 101.22,124.39 101.45,125.89 101.56,127.77 101.83,152.09 101.5,158.32 101.34,159.19 101.03,162.43 ; 102.46,176.05 102.15,171.34 101.71,169.48 100.9,166.44 100.87,163.49 101.05,162.28 ; v1(103.69,368.83) 103.77,367.77 104.34,363.39 104.49,362.44 104.97,360.6 105.36,359.01 105.72,356.75 105.63,353.82 104.92,350.75 103.82,349.22 103.21,348.29 102.66,347.48 101.42,345.8 101.3,345.6 100.6,344.44 100.27,341.69 99.9,339.46 99.61,337 99.37,336.16 98.54,333.19 97.58,330.96 97.1,328.49 97.44,326 98.32,324.52 98.65,322.57 98.16,319.06 97.57,317.7 97.4,316.41 97.28,315.6 97.28,313.52 97.85,311.63 99.28,309.43 99.89,308.76 100.91,307.29 101.87,304.87 102.46,301.71 102.5,300.51 102.56,296.65 103.19,293.36 102.94,290.18 102.73,289.28 ; 102.46,175.79 102.33,179.7 102.11,184.48 101.58,185.89 101.24,187.8 101.38,188.91 v1(101.64,189.97) 101.78,190.11 102.07,191.42 102.41,192.4 102.96,194.8 103.18,195.16 103.65,198.12 103.7,198.48 103.66,200.65 103.65,201.17 103.45,203.87 103.42,204.89 103.33,206.4 103.26,206.58 102.94,208.99 102.87,209.99 102.7,212.43 102.69,212.99 102.49,215.27 102.42,216.37 102.44,217.78 102.5,218.84 103.06,220.95 103.53,222.26 103.92,226.23 104,226.74 104.69,230.16 104.86,231.09 105.11,232.83 105.83,236.92 106.22,240 106.37,241.23 106.55,244.74 106.62,245.94 106.79,258.93 106.83,259.43 106.57,262.42 104.85,265.86 103.98,267.09 102.8,269.74 102.61,271.01 102.53,271.87 102.51,287.09 102.49,287.19 102.6,288.68 102.76,289.43
  Bottom w0.15: UD0.12 114.94,368.43 113.75,367.86 112.48,367.79 110.97,367.82 109.03,368.07 107.67,368.7 106.68,369.12 105.85,369.28 105.2,369.32 104.37,369.23 104.01,368.83 v1(103.69,368.83) ; UN0.3 114.75,189.34 114.32,190.07 113.65,190.53 112.66,190.57 111.01,190.65 110.03,190.62 108.06,190.54 104.37,190.44 103.44,190.2 102.66,190.07 v1(101.64,189.97)
D1p2: length 18.6
  Top w0.15: R9.2 162.36,358.53 161.19,357.36 160.58,356.5 C43.1
  Bottom w0.2: UD1.2 150.81,360.98 152.67,359.66 154.64,358.93 156.11,358.6 157.42,358.59 R9.2
D1p3: length 40.1
  Top w0.15: UF1.4 155.23,325.67 154.9,326.23 154.84,326.33 154.44,326.69 153.52,327.61 152.53,328.96 151.78,330.54 151.84,332.35 151.94,332.45 151.61,338.66 151.18,339.55 150.89,342.84 UE1.2 151.38,345.84 151.91,348.6 151.88,353.01 151.84,356 151.94,358.66 152.92,360.99 UD1.3
D1p10: length 6.3
  Bottom w0.2: R11.2 160.59,373.48 159.6,372.92 159.22,372.27 158.51,371.2 UD1.10
D1p13: length 76.8
  Top w0.15: 155.71,307.73 158.32,311.12 159.34,313.24 159.57,317.21 158.35,319.59 157.96,320.42 157.58,321.16 157.19,322.7 156.92,323.48 156.92,327.58 156.91,327.58 156.92,328 156.92,334.83 157,334.91 156.49,337.76 156.49,339.68 157.29,341.8 UE1.5 157.55,345.33 157.06,346.86 156.87,352.47 155.69,354.33 155.46,356.35 155.72,357.89 156.55,359.33 158,360.78 UD1.5 158.6,363.82 159.41,365.49 v1(159.62,366.42) UD1.9
  Bottom w0.2: v1(159.62,366.42) 158.68,366.37 158.07,366.33 156.9,366.33 154.79,366.4 154.39,366.43 153.37,366.7 152.88,367.12 152.14,367.77 151.4,368.63 UD1.13
D2p2: length 10.8
  Top w0.15: C44.1 190.07,359.3 191.07,360.3 UD2.2
  Bottom w0.15: C44.1 187.15,358.54 186.6,358.91 185.66,359.55 184.9,360.01 R14.2
D2p5: length 92.6
  Top w0.15: 195.03,339.57 193.79,338.25 192.53,336.28 192.22,328.8 192.19,328.06 192.19,324.93 192.35,324.49 192.74,321.57 193.16,320.47 194.69,318.26 196.15,316.71 UG2.11 ; 195.03,339.57 197.23,341.85 197.44,344.43 197.44,350.13 197.39,350.76 197.41,356.92 198.18,358.43 ; 195.03,339.57 195,339.43 ; 198.07,358.4 198.52,359.98 UD2.5
  Bottom w0.15: UD3.5 238.84,363.55 238.47,363.91 237.01,364.54 235.33,364.61 232.26,364.59 231.25,364.61 229.11,364.46 225.44,363.71 221.3,362.66 218.54,362.39 217.92,362.31 215.39,362.2 212.58,362.15 206.29,363.24 202.57,363.32 201.33,363.29 199.8,362.96 199.02,362.28 UD2.5
D2p12: length 608.2
  Top w0.15: 256.65,89.45 v1(256.7,89.47) 256.91,90.8 257.17,92.01 257.21,93.67 257.22,97.51 257,97.72 257,116.5 257.12,117.61 256.84,150.55 256.85,153.57 256.74,155.74 v1(256.6,157.02) 257.13,161.43 256.67,221.62 256.59,227.41 v1(256.41,228.79) ; v1(179.27,221.32) 179.06,223.06 179.2,223.91 ; v1(134.4,90) 134.5,93.81 134.49,94.43 134.72,96.07 134.87,99.37 134.91,100.98 134.97,102.63 135.07,104.36 135.07,109.63 135.49,111.26 135.75,113.97 135.92,114.91 136.09,116.33 136.42,118.08 136.45,123.1 136.21,124.39 136.07,126.62 136.03,126.97 135.41,132.89 135.17,135.06 135.1,136.34 134.96,136.99 134.77,140.78 134.84,142.16 134.79,144.19 v1(134.65,153.67) 133.94,154.38 133.71,155.29 133.17,157.37 133.04,169.32 133.17,170.89 133.91,174.66 134.26,175.83 135.21,179.98 135.43,181.5 135.83,185.85 136.01,187.02 136.28,191.92 136.36,193.27 136.41,195.42 136.45,196.99 136.63,199.85 136.88,201.01 137.32,206.97 137.43,208.16 137.65,210.31 137.78,211.17 137.87,214.54 137.98,216.29 138.16,218.82 138.23,219.44 v1(138.13,221.13) ; v1(178.86,368.84) 178.72,367.51 178.53,363.27 178.47,362.39 178.09,359.91 177.98,358.44 177.76,356.15 177.8,354.05 178.07,351.01 178.4,348.57 178.43,348.23 178.62,346.04 178.78,343.23 179.02,340.64 179.37,336.01 179.33,334.91 179.25,332.55 179.04,330.81 178.72,328.08 178.55,325.98 178.47,325.91 178.47,321.88 178.49,321.31 178.7,318.83 178.88,317.59 179.04,307.73 178.94,307.16 178.84,303.28 178.74,302.47 178.21,297.15 178.08,295.44 178.57,294.04 179.35,292.27 180.12,289.08 180.3,280.12 ; 180.32,280.44 180.32,279.85 180.36,272.6 180.26,267.94 180.08,253.63 180.11,251.94 179.94,242.84 180.06,240.95 179.98,232.86 179.77,229.16 179.35,226.45 179.18,223.83
  Bottom w0.15: v1(256.41,228.79) 257.05,228.87 257.52,228.85 260.94,228.85 261.03,228.94 261.37,228.6 UL4.1 ; 255.58,157.48 254.61,157.32 253.24,157.1 251.9,156.83 249.3,156.61 247.87,156.58 237.28,156.28 234.82,156.21 224.18,155.97 220.46,155.44 212.79,154.58 211.96,154.58 210.3,154.55 208.14,154.46 206.12,154.96 203.7,156.11 201.38,156.92 199.07,157.08 195.45,157.21 188.34,157.31 182.44,157.26 179.6,157.22 175.05,156.95 173.39,156.89 172.18,156.78 165.18,156.36 162.05,155.91 156.74,155.7 151.37,155.55 146.65,155.23 145.55,155.02 142.46,154.36 140.08,153.44 138.7,153.14 135.38,153.47 v1(134.65,153.67) ; 255.49,157.48 256.05,157.53 v1(256.6,157.02)
  Bottom w0.2: v1(179.27,221.32) 178.37,220.66 175.24,219.82 172.41,219.29 168.45,218.62 154.09,218.38 151.89,218.36 149.78,218.56 148.39,219.67 UL1.1 146.97,221 146.23,221.02 140.13,221.15 139.1,221.13 v1(138.13,221.13) ; UD2.12 193.5,367.62 192.96,367.26 192.28,366.85 191.71,366.67 190.76,366.69 189.5,366.63 188.24,366.69 186.29,366.7 182.78,368.08 181.6,368.38 180.1,368.76 179.39,368.76 v1(178.86,368.84)
D3p6: length 7.9
  Top w0.15: UD3.6 240.89,359.97 239.96,357.62 239.61,357.2 239.14,355.88 C27.1
D3p7: length 24.5
  Top w0.15: v1(251.51,361) 251.39,360.34 251.24,359.66 250.47,356.06 R89.2 ; C27.2 245.01,356.41 244.68,358.09 244.31,359.6 244.12,360.44 UD3.7
  Bottom w0.15: v1(251.51,361) 251.33,361.64 ; 251.33,361.64 251.33,361.58 ; 251.33,361.64 250.87,362.1 250.36,362.54 250.03,362.72 249.53,363.17 248.43,364.02 247.74,364.43 247.19,364.57 246.69,364.62 245.58,364.49 244.96,364.05 244.56,363.36 UD3.7
D3p10: length 11.2
  Top w0.15: UD3.10 243.42,368.47 242.38,367.26 240.63,365.98 238.65,364.84 236.88,363.58 UD3.4
D3p14: length 6.1
  Top w0.15: C25.2 236.28,373.34 235.12,372.65 ; UD3.14 233.76,370.94 235.2,372.7
D3p15: length 10.6
  Top w0.15: UD3.15 231.22,370.77 231.27,371.15 C25.1
  Bottom w0.15: R27.1 226.84,372.92 228.79,373.1 230.04,373.25 C25.1
D4p1: length 62.5
  Bottom w0.15: v1(201.29,364.91) 203.49,364.91 203.76,364.95 204.03,364.99 207.05,365.14 208.92,364.89 211.07,364.16 213.41,363.5 219.37,363.55 222.27,364.43 226,365.1 227.69,365.48 237.62,365.84 239.06,365.81 245.37,365.85 246.95,365.92 248.79,365.42 249.91,364.47 251.48,363.28 253.5,361.89 257.09,360.84 258.33,360.63 259.3,360.31 259.7,360.18 261.23,360.06 UD4.1
D4p3: length 26.9
  Bottom w0.15: UD4.3 267.01,360.85 268.01,361.7 269.03,362.03 272.27,362.07 292.32,362.22
D4p12: length 14.3
  Bottom w0.15: UD4.12 266.71,368.91 266.11,369.64 265.51,370.15 264.2,370.28 263.38,370.3 262.29,370.3 260.57,370.22 258.71,369.52 257.82,368.82 257.49,368.36 R88.1
D4p13: length 64.8
  Top w0.15: v1(289.01,399.23) 289.31,396.84 289.72,392.4 289.68,375.54 289.68,372.13 289.39,366.88 v1(289.12,364.9)
  Bottom w0.15: UD4.13 264.85,366.59 265.2,366.15 265.6,365.48 266.95,364.49 268.59,364.32 272.41,364.3 278.75,364.25 286.78,365.07 287.54,365.08 288.47,365.13 288.48,365.1 288.82,365.07 289,364.9 v1(289.12,364.9) ; v1(289.01,399.23) 289.28,399.23 289.61,399.55 290.82,399.59 292.98,399.36
D5p6: length 5.8
  Top w0.15: UD5.6 311,359.05 310.88,357.85 310.05,357.07 310.05,357.04 309.54,356.78 309.35,356.76 308.66,356.76 308.65,356.75 C24.2
D5p7: length 2.7
  Top w0.15: C24.1 313.72,358.14 UD5.7
D5p14: length 5.8
  Top w0.15: C40.1 306.53,370.26 305.4,369.82 304.85,369.43 304.42,368.95 304.04,368.5 303.74,368.19 UD5.14
D7p5: length 11.7
  Top w0.15: UD7.5 390.51,357.8 390.67,357.2 390.96,356.02 391.3,354.77 391.38,354.2 391.69,353.09 391.9,352.46 392.02,351.9 392.27,350.53 392.45,350.03 392.53,349.66 392.61,348.91 UE7.9
D7p10: length 20.7
  Top w0.15: UE7.8 395.04,349.05 394.93,349.97 ; UD7.10 390.34,366.56 391.03,366.04 391.81,365.15 392.09,364.75 392.35,364.46 392.75,364 393.26,363.24 393.65,362.56 393.86,361.99 394.11,361.07 394.09,356.49 394.15,355.7 394.28,354.98 394.31,353.97 394.41,353.3 394.5,352.82 394.64,351.84 394.8,350.77 394.97,349.68
D7p12: length 13.1
  Top w0.15: UD7.12 384.9,366.49 384.76,365.82 384.21,365.14 383.86,364.91 383.56,364.6 383.13,364.17 382.08,362.62 381.94,361.6 381.98,360.17 381.51,359.86 381.73,358.41 381.95,358.25 381.93,357.61 v1(381.81,355.39) 381.93,355.34
D8p9: length 13.4
  Top w0.15: UD8.2 419.5,360.13 419.76,360.63 420.46,361.25 422.24,362.1 423.13,362.37 424.84,362.82 426.45,363.49 427.77,364.6 428.23,365.25 428.45,365.77 UD8.9
DATA RDR: length 312.9
  Top w0.15: v1(85.45,150.05) 89.7,150.25 v1(90.48,150.47) ; v1(216.39,174.59) 216.46,174.65 216.46,183.97 216.47,187.09 216.63,192.2 216.7,192.88 216.49,196.05 216.52,196.55 216.2,198.66 216.01,201.17 215.89,203.21 216.06,208.55 215.94,211.79 215.88,220.16 ; v1(220.07,245.02) 219.79,242 219.7,241.12 219.09,236.21 218.7,233.4 217.46,227.58 216.75,224.32 215.88,219.79
  Bottom w0.15: 89.58,173.68 89.55,173.7 89.92,176.28 90.83,176.97 90.83,176.98 92.95,177.87 98.12,178.55 103.82,178.91 109.96,179.38 114.29,179.63 134.94,179.2 136.67,179.22 137.53,179.14 144.3,178.74 146.21,178.64 153.28,178.35 153.87,178.29 158.91,178.06 160.09,178.02 160.81,177.92 170.98,177.6 172.81,177.38 180.13,177.28 184.14,176.45 189.95,176.24 191.45,176.28 196.83,176.26 199.04,176.2 204.97,176.29 210.55,175.96 212.42,175.51 213.51,175.15 214.85,174.85 216.02,174.59 v1(216.39,174.59) ; 89.58,173.68 89.6,170.7 90.01,165.27 90.26,151.18 90.38,150.94 v1(90.48,150.47) ; 89.58,173.68 89.58,173.74 ; 292.82,251.1 292,250.96 291.49,250.81 288.46,250.06 286.79,249.8 285.33,249.31 283.67,248.73 281.14,248.8 279.99,249.2 278.67,249.43 277.38,249.71 275.02,250.3 271.1,250.86 264.77,251.24 263.6,251.33 261.37,251.45 259.66,251.17 257.8,250.55 255,249.35 252.61,248.52 249.74,247.45 248.22,247.06 246.14,246.68 244.49,246.68 242.95,246.56 235.88,246.45 234.66,246.36 232.66,246.32 230.47,246.11 227.34,245.75 225.66,245.62 223.78,245.32 221.75,245.12 v1(220.07,245.02) ; v1(85.45,150.05) 84.73,149.73 84,149.43 83.32,149.01 82.59,148.76 81.79,148.57 80.51,148.38 J2.36
